# Altium PCB Load_Bank_Master.PcbDoc (part 2 of 3)
Units mil, origin at the board's own origin, x right, y up, seen from the top; angles counter-clockwise.
Board outline 5535 x 9250 mil, 4 copper layers (Top Layer, Layer 1, Layer 2, Bottom Layer), stack 62.448 mil thick; 225 components, 216 nets, 1024 pads, 192 vias.
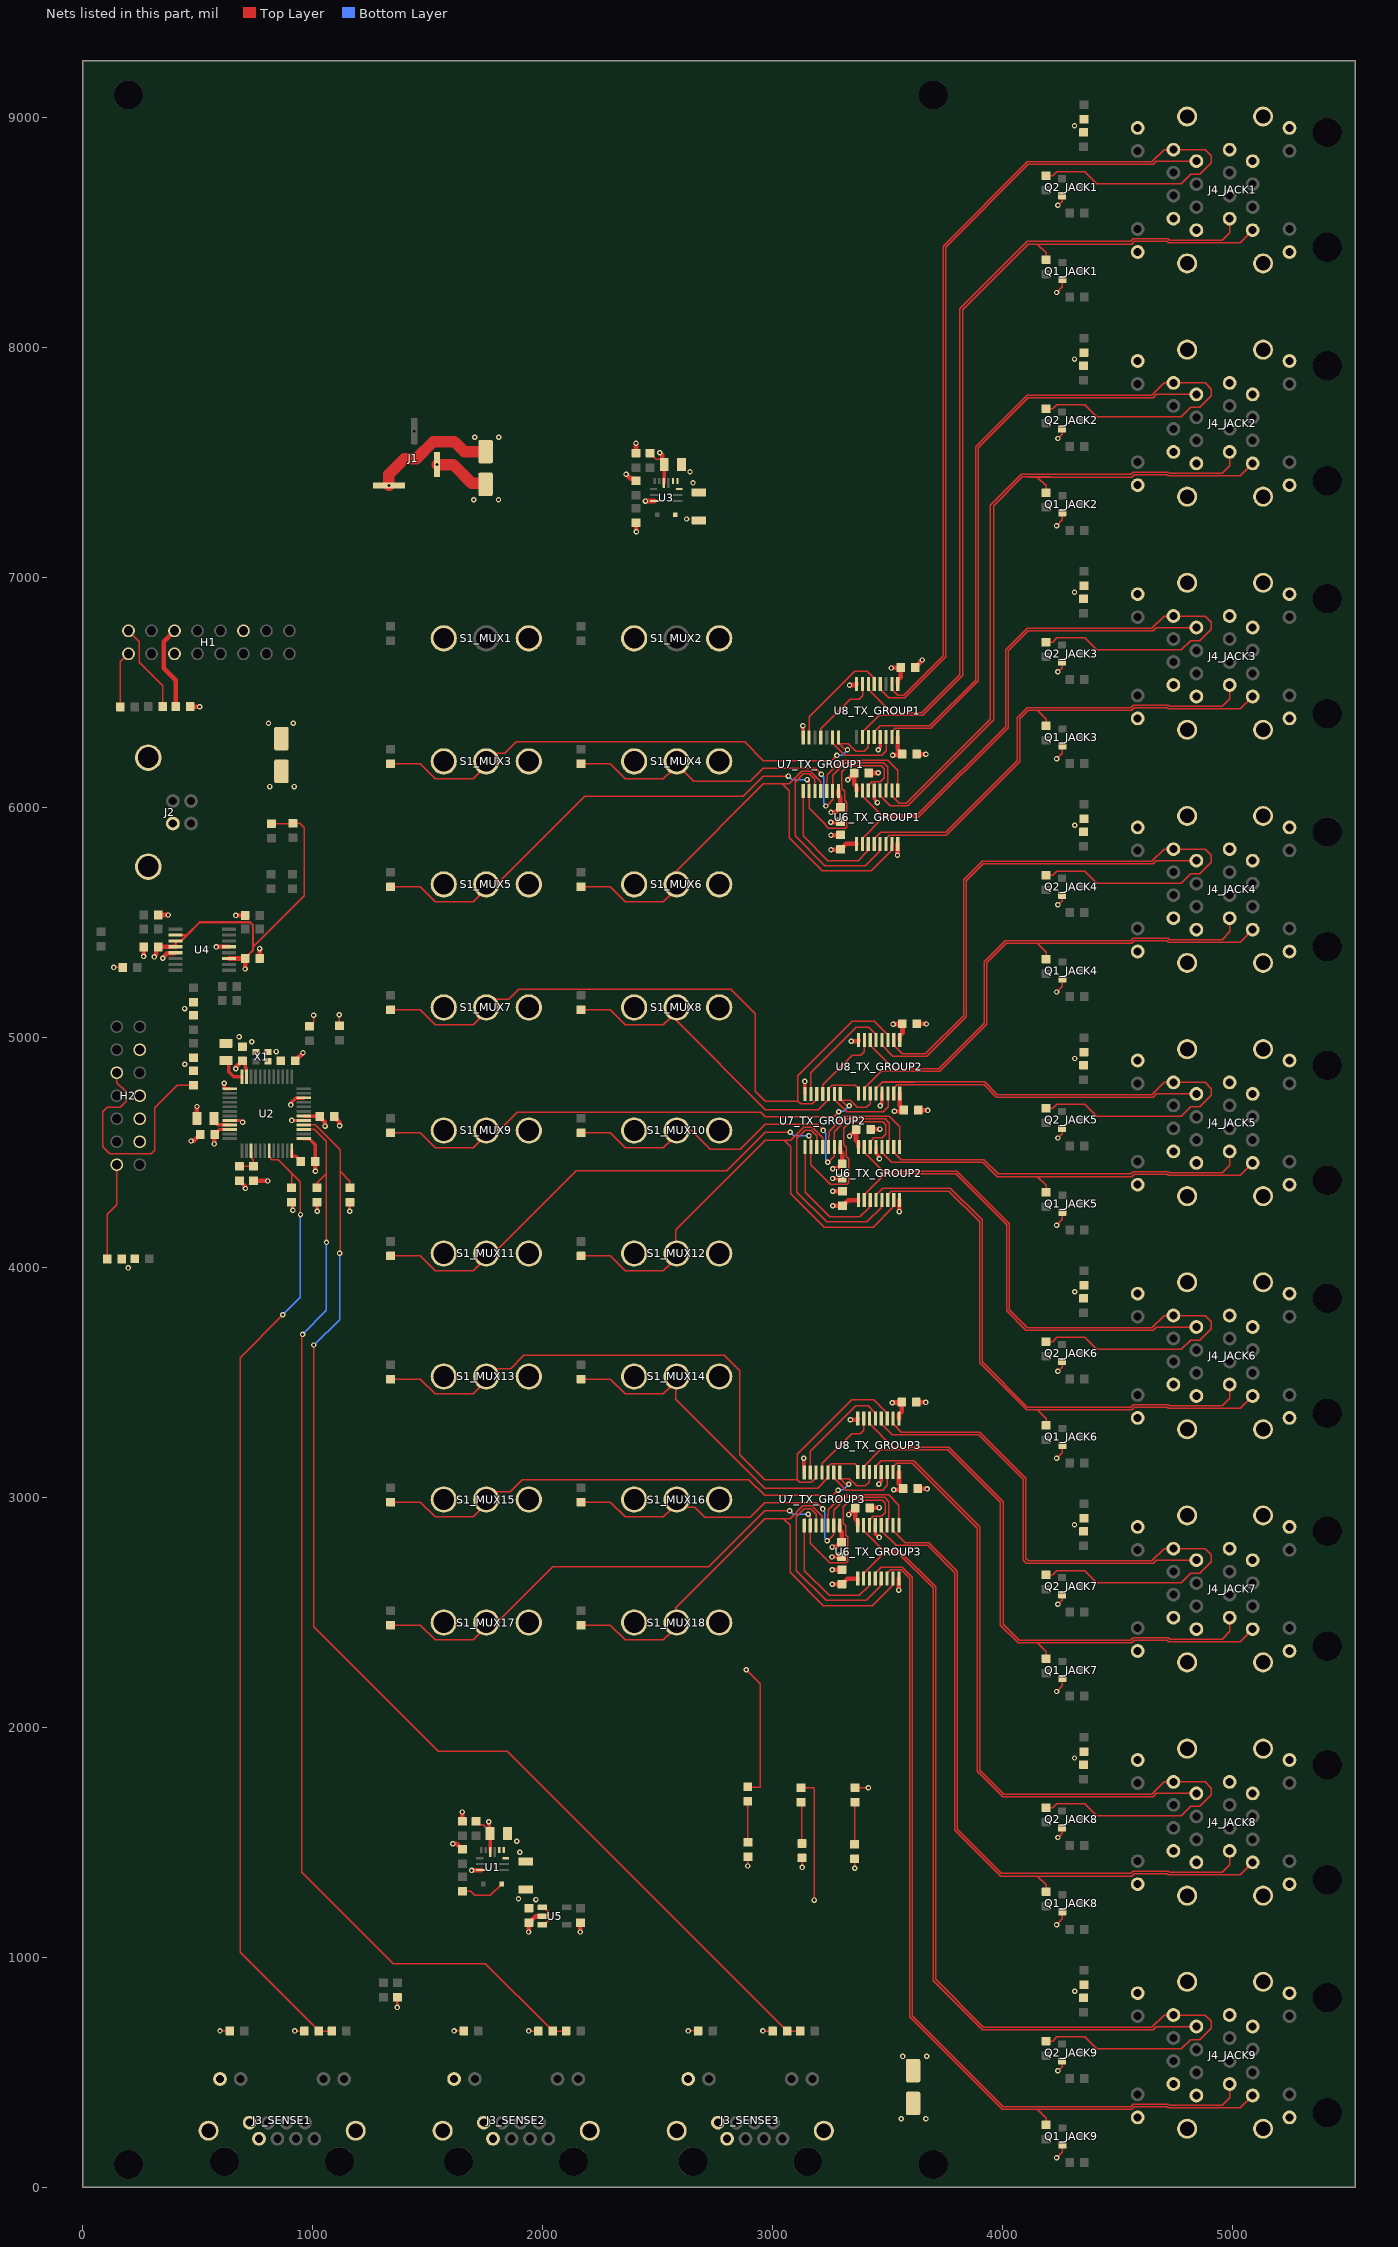
[diagram p4: the nets of this part, all layers, seen from the top]

## Via types
v1: diameter 23.62, hole 11.81, Top Layer to Bottom Layer, 192 vias

## Nets (pads, with @x,y where several pads share a name; then routed paths per layer and width w, separated by ;. In a path a pad name is that pad's centre, name@x,y a point inside that pad or via, vN(x,y) a via of type N, cw(c..) or ccw(c..) an arc to the next point about the centre after c; other vN are vias at no path point) (continued)
3V3_SW3: R36_MUX3.2 S1_MUX3.2 U7_TX_GROUP1.1 U8_TX_GROUP1.11 | length 2417
  Top Layer w6: R36_MUX3.2@1340,6191 1468,6191 1533,6126 1698.36,6126 1731.37,6159.01 1731.37,6182.37 1751,6202 1751,6209.5 1778,6236.5 1836.5,6236.5 1887,6287 2879,6287 2961,6205 3258,6205 v1(3280.81,6227.81) ; U7_TX_GROUP1.1@3287.8,6305 3287.8,6281.5 3312.93,6256.37 3323.63,6256.37 v1(3327,6253) ; U7_TX_GROUP1.1@3291.8,6278.2 3329.8,6278.2 3362,6246 3400,6246 3417,6263 3417,6306.2 U8_TX_GROUP1.11@3417.8,6307
  Bottom Layer w6: v1(3280.81,6227.81) 3281,6228 3286,6228 3287,6229 3303,6229 v1(3327,6253)
3V3_SW4: R36_MUX4.2 S1_MUX4.2 U6_TX_GROUP1.11 U7_TX_GROUP1.13 | length 1860.4
  Top Layer w6: R36_MUX4.2@2168,6191 2296,6191 2361,6126 2526.36,6126 2559.37,6159.01 2559.37,6182.37 2579,6202 2579,6194.5 2658.5,6115 2904,6115 2961,6172 3187.73,6172 v1(3213.62,6146.11) ; v1(3233,6008) 3237,6012 3240,6012 3262.2,6034.2 U7_TX_GROUP1.13@3262.2,6073 3262.2,6141.2 3317,6196 3483,6196 3501,6178 3501,6105.3 3494.2,6098.5 U6_TX_GROUP1.11@3494.2,6075
  Bottom Layer w6: v1(3213.62,6146.11) 3213.62,6144.16 3224,6133.78 3224,6020.33 3233,6011.33 v1(3233,6008)
3V3_SW5: R36_MUX5.2 S1_MUX5.2 U6_TX_GROUP1.14 U7_TX_GROUP1.9 | length 3008.6
  Top Layer w6: R36_MUX5.2@1340,5656 1468,5656 1533,5591 1698.36,5591 1731.37,5624.01 1731.37,5647.37 1751,5667 1802,5667 2185,6050 2873,6050 2961,6138 v1(3070,6138) ; v1(3151,6123) 3151,6120.14 3159.8,6111.34 U7_TX_GROUP1.9@3159.8,6073 3159.8,5997.2 3229.19,5927.81 3229.19,5926.72 3243.72,5912.19 3244.81,5912.19 3245,5912 3317.23,5912 3323.5,5918.27 3323.5,6022.73 3314,6032.23 3314,6072.26 3302.8,6083.46 3302.8,6155.8 3330,6183 3473,6183 3486,6170 3486,6130 3469.5,6113.5 3433.1,6113.5 3428,6108.4 3428,6106.01 3424.49,6102.5 3421.4,6102.5 3417.4,6098.5 U6_TX_GROUP1.14@3417.4,6075
  Bottom Layer w6: v1(3070,6138) 3071,6138 3086,6123 v1(3151,6123)
3V3_SW6: R36_MUX6.2 S1_MUX6.2 U6_TX_GROUP1.7 U7_TX_GROUP1.11 | length 2229.5
  Top Layer w6: R36_MUX6.2@2168,5656 2296,5656 2361,5591 2526.36,5591 2559.37,5624.01 2559.37,5647.37 2579,5667 2579,5722 2961,6104 3043,6104 ; U7_TX_GROUP1.11@3211,6073 3211,6113.64 3165.83,6158.81 3127.81,6158.81 3073,6104 3043,6104 ; U6_TX_GROUP1.7@3519.8,5843 3522,5840.8 3515.8,5834.6 3515.8,5811.8 3430,5726 3217,5726 3073,5870 3073,6074 3043,6104
3V3_SW7: R36_MUX7.2 S1_MUX7.2 U7_TX_GROUP2.5 U8_TX_GROUP2.3 | length 3046.8
  Top Layer w6: R36_MUX7.2@1340,5121 1468,5121 1533,5056 1698.36,5056 1731.37,5089.01 1731.37,5112.37 1751,5132 1751,5139.5 1778,5166.5 1853.5,5166.5 1897.5,5210.5 2819.5,5210.5 2926,5104 2926,4767 2969,4724 3111,4724 ; U7_TX_GROUP2.5@3193.4,4756 3193.4,4732.5 3172.9,4712 3123,4712 3111,4724 ; U8_TX_GROUP2.3@3502.6,4990 3502.6,5013.5 3444.1,5072 3348,5072 3111,4835 3111,4724
3V3_SW8: R36_MUX8.2 S1_MUX8.2 U7_TX_GROUP2.3 U8_TX_GROUP2.9 | length 1594.8
  Top Layer w6: R36_MUX8.2@2168,5121 2296,5121 2361,5056 2526.36,5056 2559.37,5089.01 2559.37,5112.37 2579,5132 2579,5078 2969,4688 3200.1,4688 3244.6,4732.5 U7_TX_GROUP2.3@3244.6,4756 3244.6,4779.5 3259.6,4794.5 3361.6,4794.5 3374.6,4781.5 U8_TX_GROUP2.9@3374.6,4758
3V3_SW9: R36_MUX9.2 S1_MUX9.2 U7_TX_GROUP2.1 U8_TX_GROUP2.11 | length 2392
  Top Layer w6: R36_MUX9.2@1340,4586 1468,4586 1533,4521 1698.36,4521 1731.37,4554.01 1731.37,4577.37 1751,4597 1812,4597 1890.5,4675.5 2949.5,4675.5 2969,4656 3266,4656 v1(3288.81,4678.81) ; U7_TX_GROUP2.1@3295.8,4756 3295.8,4732.5 3320.93,4707.37 3331.63,4707.37 v1(3335,4704) ; U7_TX_GROUP2.1@3299.8,4729.2 3337.8,4729.2 3370,4697 3408,4697 3425,4714 3425,4757.2 U8_TX_GROUP2.11@3425.8,4758
  Bottom Layer w6: v1(3288.81,4678.81) 3289,4679 3294,4679 3295,4680 3311,4680 v1(3335,4704)
3V3_SW10: R36_MUX10.2 S1_MUX10.2 U6_TX_GROUP2.11 U7_TX_GROUP2.13 | length 1883.1
  Top Layer w6: R36_MUX10.2@2168,4586 2296,4586 2361,4521 2526.36,4521 2559.37,4554.01 2559.37,4577.37 2579,4597 2648,4597 2730,4515 2861,4515 2969,4623 3195.73,4623 v1(3221.62,4597.11) ; v1(3241,4459) 3245,4463 3248,4463 3270.2,4485.2 U7_TX_GROUP2.13@3270.2,4524 3270.2,4592.2 3325,4647 3491,4647 3509,4629 3509,4556.3 3502.2,4549.5 U6_TX_GROUP2.11@3502.2,4526
  Bottom Layer w6: v1(3221.62,4597.11) 3221.62,4595.16 3232,4584.78 3232,4471.33 3241,4462.33 v1(3241,4459)
3V3_SW11: R36_MUX11.2 S1_MUX11.2 U6_TX_GROUP2.14 U7_TX_GROUP2.9 | length 3039.8
  Top Layer w6: R36_MUX11.2@1340,4051 1468,4051 1533,3986 1698.36,3986 1731.37,4019.01 1731.37,4042.37 1757.99,4068.99 1793.99,4068.99 2147,4422 2802,4422 2969,4589 v1(3078,4589) ; v1(3159,4574) 3159,4571.14 3167.8,4562.34 U7_TX_GROUP2.9@3167.8,4524 3167.8,4448.2 3237.19,4378.81 3237.19,4377.72 3251.72,4363.19 3252.81,4363.19 3253,4363 3325.23,4363 3331.5,4369.27 3331.5,4473.73 3322,4483.23 3322,4523.26 3310.8,4534.46 3310.8,4606.8 3338,4634 3481,4634 3494,4621 3494,4581 3477.5,4564.5 3441.1,4564.5 3436,4559.4 3436,4557.01 3432.49,4553.5 3429.4,4553.5 3425.4,4549.5 U6_TX_GROUP2.14@3425.4,4526
  Bottom Layer w6: v1(3078,4589) 3079,4589 3094,4574 v1(3159,4574)
3V3_SW12: R36_MUX12.2 S1_MUX12.2 U6_TX_GROUP2.7 U7_TX_GROUP2.11 | length 2288.8
  Top Layer w6: R36_MUX12.2@2168,4051 2296,4051 2361,3986 2526.36,3986 2559.37,4019.01 2559.37,4042.37 2579,4062 2579,4165 2969,4555 3051,4555 ; U7_TX_GROUP2.11@3219,4524 3219,4564.64 3173.83,4609.81 3135.81,4609.81 3081,4555 3051,4555 ; U6_TX_GROUP2.7@3527.8,4294 3530,4291.8 3523.8,4285.6 3523.8,4262.8 3438,4177 3225,4177 3081,4321 3081,4525 3051,4555
3V3_SW13: R36_MUX13.2 S1_MUX13.2 U7_TX_GROUP3.5 U8_TX_GROUP3.3 | length 3088.9
  Top Layer w6: R36_MUX13.2@1340,3516 1468,3516 1533,3451 1698.36,3451 1731.37,3484.01 1731.37,3507.37 1751,3527 1751,3534.5 1778,3561.5 1861.5,3561.5 1919,3619 2791,3619 2858,3552 2858,3186 2966,3078 3108,3078 ; U7_TX_GROUP3.5@3190.4,3110 3190.4,3086.5 3169.9,3066 3120,3066 3108,3078 ; U8_TX_GROUP3.3@3499.6,3344 3499.6,3367.5 3441.1,3426 3345,3426 3108,3189 3108,3078
3V3_SW14: R36_MUX14.2 S1_MUX14.2 U7_TX_GROUP3.3 U8_TX_GROUP3.9 | length 1634.5
  Top Layer w6: R36_MUX14.2@2168,3516 2296,3516 2361,3451 2526.36,3451 2559.37,3484.01 2559.37,3507.37 2579,3527 2579,3429 2966,3042 3197.1,3042 3241.6,3086.5 U7_TX_GROUP3.3@3241.6,3110 3241.6,3133.5 3256.6,3148.5 3358.6,3148.5 3371.6,3135.5 U8_TX_GROUP3.9@3371.6,3112
3V3_SW15: R36_MUX15.2 S1_MUX15.2 U7_TX_GROUP3.1 U8_TX_GROUP3.11 | length 2416.6
  Top Layer w6: R36_MUX15.2@1340,2981 1468,2981 1533,2916 1698.36,2916 1731.37,2949.01 1731.37,2972.37 1751,2992 1751,2999.5 1778,3026.5 1860.5,3026.5 1912,3078 2898,3078 2966,3010 3263,3010 v1(3285.81,3032.81) ; U7_TX_GROUP3.1@3292.8,3110 3292.8,3086.5 3317.93,3061.37 3328.63,3061.37 v1(3332,3058) ; U7_TX_GROUP3.1@3296.8,3083.2 3334.8,3083.2 3367,3051 3405,3051 3422,3068 3422,3111.2 U8_TX_GROUP3.11@3422.8,3112
  Bottom Layer w6: v1(3285.81,3032.81) 3286,3033 3291,3033 3292,3034 3308,3034 v1(3332,3058)
3V3_SW16: R36_MUX16.2 S1_MUX16.2 U6_TX_GROUP3.11 U7_TX_GROUP3.13 | length 1863.4
  Top Layer w6: R36_MUX16.2@2168,2981 2296,2981 2361,2916 2526.36,2916 2559.37,2949.01 2559.37,2972.37 2579,2992 2579,2984.5 2606,2957.5 2662.5,2957.5 2705,2915 2904,2915 2966,2977 3192.73,2977 v1(3218.62,2951.11) ; v1(3238,2813) 3242,2817 3245,2817 3267.2,2839.2 U7_TX_GROUP3.13@3267.2,2878 3267.2,2946.2 3322,3001 3488,3001 3506,2983 3506,2910.3 3499.2,2903.5 U6_TX_GROUP3.11@3499.2,2880
  Bottom Layer w6: v1(3218.62,2951.11) 3218.62,2949.16 3229,2938.78 3229,2825.33 3238,2816.33 v1(3238,2813)
3V3_SW17: R36_MUX17.2 S1_MUX17.2 U6_TX_GROUP3.14 U7_TX_GROUP3.9 | length 3019.8
  Top Layer w6: R36_MUX17.2@1340,2446 1468,2446 1533,2381 1698.36,2381 1731.37,2414.01 1731.37,2437.37 1751,2457 1802,2457 2045,2700 2723,2700 2966,2943 v1(3075,2943) ; v1(3156,2928) 3156,2925.14 3164.8,2916.34 U7_TX_GROUP3.9@3164.8,2878 3164.8,2802.2 3234.19,2732.81 3234.19,2731.72 3248.72,2717.19 3249.81,2717.19 3250,2717 3322.23,2717 3328.5,2723.27 3328.5,2827.73 3319,2837.23 3319,2877.26 3307.8,2888.46 3307.8,2960.8 3335,2988 3478,2988 3491,2975 3491,2935 3474.5,2918.5 3438.1,2918.5 3433,2913.4 3433,2911.01 3429.49,2907.5 3426.4,2907.5 3422.4,2903.5 U6_TX_GROUP3.14@3422.4,2880
  Bottom Layer w6: v1(3075,2943) 3076,2943 3091,2928 v1(3156,2928)
3V3_SW18: R36_MUX18.2 S1_MUX18.2 U6_TX_GROUP3.7 U7_TX_GROUP3.11 | length 2246.5
  Top Layer w6: R36_MUX18.2@2168,2446 2296,2446 2361,2381 2526.36,2381 2559.37,2414.01 2559.37,2437.37 2579,2457 2579,2522 2966,2909 3048,2909 ; U7_TX_GROUP3.11@3216,2878 3216,2918.64 3170.83,2963.81 3132.81,2963.81 3078,2909 3048,2909 ; U6_TX_GROUP3.7@3524.8,2648 3527,2645.8 3520.8,2639.6 3520.8,2616.8 3435,2531 3222,2531 3078,2675 3078,2879 3048,2909
12V_SW1: J4_JACK1.201 R40_JACK1.2 U8_TX_GROUP1.2 | length 4275.2
  Top Layer w6: U8_TX_GROUP1.2@3520.2,6539 3520.2,6515.5 3545.85,6489.85 3570.85,6489.85 3743,6662 3743,8443 4109,8809 4651,8809 4704,8862 J4_JACK1.201@4744,8862 4882,8862 4909,8835 4909,8805 4859,8755 4819,8755 4779,8715 4410,8715 4358,8767 4237.25,8767 4219.25,8749 R40_JACK1.2@4190,8749
12V_SW2: J4_JACK1.101 R39_JACK1.2 U8_TX_GROUP1.10 | length 3643.8
  Top Layer w6: U8_TX_GROUP1.10@3392.2,6307 3392.2,6330.5 3464.7,6403 3654,6403 3827,6576 3827,8167 4112,8452 4153,8452 ; R39_JACK1.2@4191,8384 4191,8414 4153,8452 ; J4_JACK1.101@5089,8512 5035,8458 4722.78,8458 4717.78,8463 4574.19,8463 4563.19,8452 4153,8452
12V_SW3: J4_JACK2.201 R40_JACK2.2 U8_TX_GROUP1.12 | length 3538.4
  Top Layer w6: U8_TX_GROUP1.12@3443.4,6307 3443.4,6330.5 3469.4,6356.5 3684.94,6356.5 3884,6555.56 3884,7570 4109,7795 4651,7795 4704,7848 J4_JACK2.201@4744,7848 4882,7848 4909,7821 4909,7791 4859,7741 4819,7741 4779,7701 4410,7701 4358,7753 4237.25,7753 4219.25,7735 R40_JACK2.2@4190,7735
12V_SW4: J4_JACK2.101 R39_JACK2.2 U6_TX_GROUP1.12 | length 3012
  Top Layer w6: U6_TX_GROUP1.12@3468.6,6075 3468.6,6051.5 3512.1,6008 3588,6008 3962,6382 3962,7313.44 4087.56,7439 4211,7439 ; 4112,7438 4153,7438 ; R39_JACK2.2@4191,7370 4191,7400 4153,7438 ; J4_JACK2.101@5089,7498 5035,7444 4722.78,7444 4717.78,7449 4574.19,7449 4563.19,7438 4153,7438
12V_SW5: J4_JACK3.201 R40_JACK3.2 U6_TX_GROUP1.15 | length 2955
  Top Layer w6: U6_TX_GROUP1.15@3391.8,6075 3391.8,6051.5 3474.3,5969 3630.44,5969 4015,6353.56 4015,6687 4109,6781 4651,6781 4704,6834 J4_JACK3.201@4744,6834 4882,6834 4909,6807 4909,6777 4859,6727 4819,6727 4779,6687 4410,6687 4358,6739 4237.25,6739 4219.25,6721 R40_JACK3.2@4190,6721
12V_SW6: J4_JACK3.101 R39_JACK3.2 U6_TX_GROUP1.6 | length 2071.2
  Top Layer w6: U6_TX_GROUP1.6@3494.2,5843 3494.2,5866.5 3509.2,5881.5 3756.5,5881.5 4075,6200 4075,6386.44 4112.56,6424 4153,6424 ; R39_JACK3.2@4191,6356 4191,6386 4153,6424 ; J4_JACK3.101@5089,6484 5035,6430 4722.78,6430 4717.78,6435 4574.19,6435 4563.19,6424 4153,6424
12V_SW7: J4_JACK4.201 R40_JACK4.2 U8_TX_GROUP2.2 | length 3502.5
  Top Layer w6: U8_TX_GROUP2.2@3528.2,4990 3528.2,4966.5 3564.7,4930 3666,4930 3832,5096 3832,5686.56 3912.44,5767 4651,5767 ; 4109,5767 4651,5767 ; R40_JACK4.2@4190,5707 4219.25,5707 4237.25,5725 4358,5725 4410,5673 4779,5673 4819,5713 4859,5713 4909,5763 4909,5793 4882,5820 J4_JACK4.201@4744,5820 4704,5820 4651,5767
12V_SW8: J4_JACK4.101 R39_JACK4.2 U8_TX_GROUP2.10 | length 2342.4
  Top Layer w6: U8_TX_GROUP2.10@3400.2,4758 3400.2,4781.5 3472.7,4854 3728.56,4854 3933,5058.44 3933,5326.44 4016.56,5410 4212,5410 ; 4112,5410 4153,5410 ; R39_JACK4.2@4191,5342 4191,5372 4153,5410 ; J4_JACK4.101@5089,5470 5035,5416 4722.78,5416 4717.78,5421 4574.19,5421 4563.19,5410 4153,5410
12V_SW9: J4_JACK5.201 R40_JACK5.2 U8_TX_GROUP2.12 | length 3044.7
  Top Layer w6: U8_TX_GROUP2.12@3451.4,4758 3451.4,4781.5 3477.4,4807.5 3617.5,4807.5 ; 3477.9,4808 3924,4808 3979,4753 4651,4753 ; 4109,4753 4651,4753 ; R40_JACK5.2@4190,4693 4219.25,4693 4237.25,4711 4358,4711 4410,4659 4779,4659 4819,4699 4859,4699 4909,4749 4909,4779 4882,4806 J4_JACK5.201@4744,4806 4704,4806 4651,4753
12V_SW10: J4_JACK5.101 R39_JACK5.2 U6_TX_GROUP2.12 | length 1892.7
  Top Layer w6: U6_TX_GROUP2.12@3476.6,4526 3476.6,4502.5 3520.1,4459 3915.44,4459 3978.44,4396 4212,4396 ; 4112,4396 4153,4396 ; R39_JACK5.2@4191,4328 4191,4358 4153,4396 ; J4_JACK5.101@5089,4456 5035,4402 4722.78,4402 4717.78,4407 4574.19,4407 4563.19,4396 4153,4396
12V_SW11: J4_JACK6.201 R40_JACK6.2 U6_TX_GROUP2.15 | length 2915.8
  Top Layer w6: U6_TX_GROUP2.15@3399.8,4526 3399.8,4502.5 3482.3,4420 3802,4420 4030,4192 4030,3816.56 4107.56,3739 ; 4109,3739 4651,3739 4704,3792 J4_JACK6.201@4744,3792 4882,3792 4909,3765 4909,3735 4859,3685 4819,3685 4779,3645 4410,3645 4358,3697 4237.25,3697 4219.25,3679 R40_JACK6.2@4190,3679
12V_SW12: J4_JACK6.101 R39_JACK6.2 U6_TX_GROUP2.6 | length 2481.8
  Top Layer w6: U6_TX_GROUP2.6@3502.2,4294 3502.2,4317.5 3517.2,4332.5 3767.5,4332.5 3901,4199 3901,3586.44 4105.44,3382 4153,3382 ; R39_JACK6.2@4191,3314 4191,3344 4153,3382 ; J4_JACK6.101@5089,3442 5035,3388 4722.78,3388 4717.78,3393 4574.19,3393 4563.19,3382 4153,3382
12V_SW13: J4_JACK7.201 R40_JACK7.2 U8_TX_GROUP3.2 | length 2703.7
  Top Layer w6: U8_TX_GROUP3.2@3525.2,3344 3525.2,3320.5 3561.7,3284 3903,3284 4102.78,3084.22 4102.78,2735.78 4111.56,2727 ; 4113.56,2725 4651,2725 4704,2778 J4_JACK7.201@4744,2778 4882,2778 4909,2751 4909,2721 4859,2671 4819,2671 4779,2631 4410,2631 4358,2683 4237.25,2683 4219.25,2665 R40_JACK7.2@4190,2665
12V_SW14: J4_JACK7.101 R39_JACK7.2 U8_TX_GROUP3.10 | length 2618.2
  Top Layer w6: U8_TX_GROUP3.10@3397.2,3112 3397.2,3135.5 3469.7,3208 3763,3208 3992,2979 3992,2446 4070,2368 4212,2368 ; 4112,2368 4153,2368 ; R39_JACK7.2@4191,2300 4191,2330 4153,2368 ; J4_JACK7.101@5089,2428 5035,2374 4722.78,2374 4717.78,2379 4574.19,2379 4563.19,2368 4153,2368
12V_SW15: J4_JACK8.201 R40_JACK8.2 U8_TX_GROUP3.12 | length 4106.1
  Top Layer w6: U8_TX_GROUP3.12@3448.4,3112 3448.4,3135.5 3474.4,3161.5 3614.5,3161.5 3903,2873 3903,1814.56 4006.56,1711 4011.53,1711 4651,1711 ; 4109,1711 4651,1711 ; R40_JACK8.2@4190,1651 4219.25,1651 4237.25,1669 4358,1669 4410,1617 4779,1617 4819,1657 4859,1657 4909,1707 4909,1737 4882,1764 J4_JACK8.201@4744,1764 4704,1764 4651,1711
12V_SW16: J4_JACK8.101 R39_JACK8.2 U6_TX_GROUP3.12 | length 3130.3
  Top Layer w6: U6_TX_GROUP3.12@3473.6,2880 3473.6,2856.5 3538.1,2792 3675.44,2792 3793,2674.44 3793,1554 3993,1354 4212,1354 ; 4112,1354 4153,1354 ; R39_JACK8.2@4191,1286 4191,1316 4153,1354 ; J4_JACK8.101@5089,1414 5035,1360 4722.78,1360 4717.78,1365 4574.19,1365 4563.19,1354 4153,1354
12V_SW17: J4_JACK9.201 R40_JACK9.2 U6_TX_GROUP3.15 | length 4821.1
  Top Layer w6: U6_TX_GROUP3.15@3396.8,2880 3396.8,2856.5 3479.3,2774 3548.56,2774 3710,2612.56 3710,904.56 3917.56,697 4651,697 ; 4109,697 4651,697 ; R40_JACK9.2@4190,637 4219.25,637 4237.25,655 4358,655 4410,603 4779,603 4819,643 4859,643 4909,693 4909,723 4882,750 J4_JACK9.201@4744,750 4704,750 4651,697
12V_SW18: J4_JACK9.101 R39_JACK9.2 U6_TX_GROUP3.6 | length 3921.2
  Top Layer w6: U6_TX_GROUP3.6@3499.2,2648 3499.2,2671.5 3514.2,2686.5 3560.3,2686.5 3597,2649.8 3597,743 4000,340 4212,340 ; 4112,340 4153,340 ; R39_JACK9.2@4191,272 4191,302 4153,340 ; J4_JACK9.101@5089,400 5035,346 4722.78,346 4717.78,351 4574.19,351 4563.19,340 4153,340
+3V3: 3V3.2 C3.1 C6.1 C7.2 C11.2 C14.2 C15.2 C16.2 C18.2 C20.2 C24_TX_GROUP1.1 C24_TX_GROUP2.1 C24_TX_GROUP3.1 C26_TX_GROUP1.1 C26_TX_GROUP2.1 C26_TX_GROUP3.1 C27_TX_GROUP1.1 C27_TX_GROUP2.1 C27_TX_GROUP3.1 H1.5 R5.2 R6.1 R7.1 R10.1 R23.2 R27.2 R29.2 R30.2 R31.2 R32.2 RX.2 S1_MUX1.3 S1_MUX2.3 S1_MUX3.3 S1_MUX4.3 S1_MUX5.3 S1_MUX6.3 S1_MUX7.3 S1_MUX8.3 S1_MUX9.3 S1_MUX10.3 S1_MUX11.3 S1_MUX12.3 S1_MUX13.3 S1_MUX14.3 S1_MUX15.3 S1_MUX16.3 S1_MUX17.3 S1_MUX18.3 TX.2 U2.18 U2.35 U2.46 U3.7 U4.3 U4.10 U4.11 U4.12 U6_TX_GROUP1.1 U6_TX_GROUP2.1 U6_TX_GROUP3.1 U7_TX_GROUP1.14 U7_TX_GROUP2.14 U7_TX_GROUP3.14 U8_TX_GROUP1.1 U8_TX_GROUP2.1 U8_TX_GROUP3.1 X1.1 X1.4 | length 4193.7
  Top Layer w6: 741.5,5395 964,5617.5 964,5913 945,5932 TX.2@915,5932 914.5,5931.5 821.5,5931.5 RX.2@821,5931 ; R6.1@988,5050 989,5050 1004.5,5065.5 1004.5,5066.5 1005,5067 v1(1005,5098) ; R10.1@1117,5052 v1(1117,5100) ; v1(2887,2251) 2948,2190 2948,1740 2895,1740 3V3.2@2893,1742
  Top Layer w10: U4.12@405,5395.6 U4.11@405,5421.2 428.5,5421.2 454.1,5446.8 ; U4.10@405,5446.8 454.1,5446.8 ; C20.2@707,5345 707,5346 741.5,5380.5 741.5,5395 741.5,5489.56 728.56,5502.5 509.8,5502.5 454.1,5446.8
  Top Layer w13: C3.1@575,4580 575,4581 594.5,4600.5 640.4,4600.5 U2.46@641,4601.1
  Top Layer w15: C6.1@696,4899 707,4888 707,4872.43 712.1,4867.33 U2.35@712.1,4855 ; U2.18@964.1,4659.1 C14.2@1029.9,4659.1
  Top Layer w20: v1(311.4,5351.52) 311.4,5352.5 321.5,5362.6 321.5,5386.5 C18.2@330,5395 330.3,5395.3 404.7,5395.3 U4.12@405,5395.6 ; H1.5@400,6770 352.5,6722.5 352.5,6607.51 405,6555.01 C15.2@405,6440 ; v1(573,4538) 573.69,4538.69 573.69,4578.69 C3.1@575,4580 ; U4.3@637,5344.4 637.3,5344.7 706.7,5344.7 C20.2@707,5345 v1(707,5299) ; v1(666,4865) 666.69,4865.69 666.69,4871.69 694,4899 C6.1@695,4899 C6.1@696,4899 ; R5.2@682,4378 683,4378 707.93,4353.07 707.93,4345.31 v1(708.62,4344.62) ; C14.2@1029.9,4659.1 1029.9,4658.1 1054.31,4633.69 1054.31,4616.69 v1(1055,4616) ; R7.1@2407,7240 2408.31,7238.69 2408.31,7200.69 v1(2409,7200) ; v1(3255,5818) 3255.5,5818.5 3296.5,5818.5 C27_TX_GROUP1.1@3297,5819 3298,5819 3322,5843 U6_TX_GROUP1.1@3366.2,5843 ; v1(3255,5980) 3255.69,5980.69 3273.69,5980.69 3295,6002 C24_TX_GROUP1.1@3296,6002 3296,6047.3 3287.8,6055.5 U7_TX_GROUP1.14@3287.8,6073 ; v1(3260,2623) 3260.5,2623.5 3301.5,2623.5 C27_TX_GROUP3.1@3302,2624 3303,2624 3327,2648 U6_TX_GROUP3.1@3371.2,2648 ; v1(3260,2785) 3260.69,2785.69 3278.69,2785.69 3300,2807 C24_TX_GROUP3.1@3301,2807 3301,2852.3 3292.8,2860.5 U7_TX_GROUP3.14@3292.8,2878 ; v1(3263,4269) 3263.5,4269.5 3304.5,4269.5 C27_TX_GROUP2.1@3305,4270 3306,4270 3330,4294 U6_TX_GROUP2.1@3374.2,4294 ; v1(3263,4431) 3263.69,4431.69 3281.69,4431.69 3303,4453 C24_TX_GROUP2.1@3304,4453 3304,4498.3 3295.8,4506.5 U7_TX_GROUP2.14@3295.8,4524 ; v1(3517,6608) 3517.69,6608.69 3556.69,6608.69 C26_TX_GROUP1.1@3558,6610 3558,6568.7 3545.8,6556.5 U8_TX_GROUP1.1@3545.8,6539 ; v1(3522,3413) 3522.69,3413.69 3561.69,3413.69 C26_TX_GROUP3.1@3563,3415 3563,3373.7 3550.8,3361.5 U8_TX_GROUP3.1@3550.8,3344 ; v1(3525,5059) 3525.69,5059.69 3564.69,5059.69 C26_TX_GROUP2.1@3566,5061 3566,5019.7 3553.8,5007.5 U8_TX_GROUP2.1@3553.8,4990